# Altium PCB PCB1.PcbDoc
Units mil, origin at the board's own origin, x right, y up, seen from the top; angles counter-clockwise.
Board outline 3936 x 3936 mil, 2 copper layers (Top Layer, Bottom Layer); 73 components, 92 nets, 322 pads, 141 vias.
Unrouted connection lines stored in the file: 6.
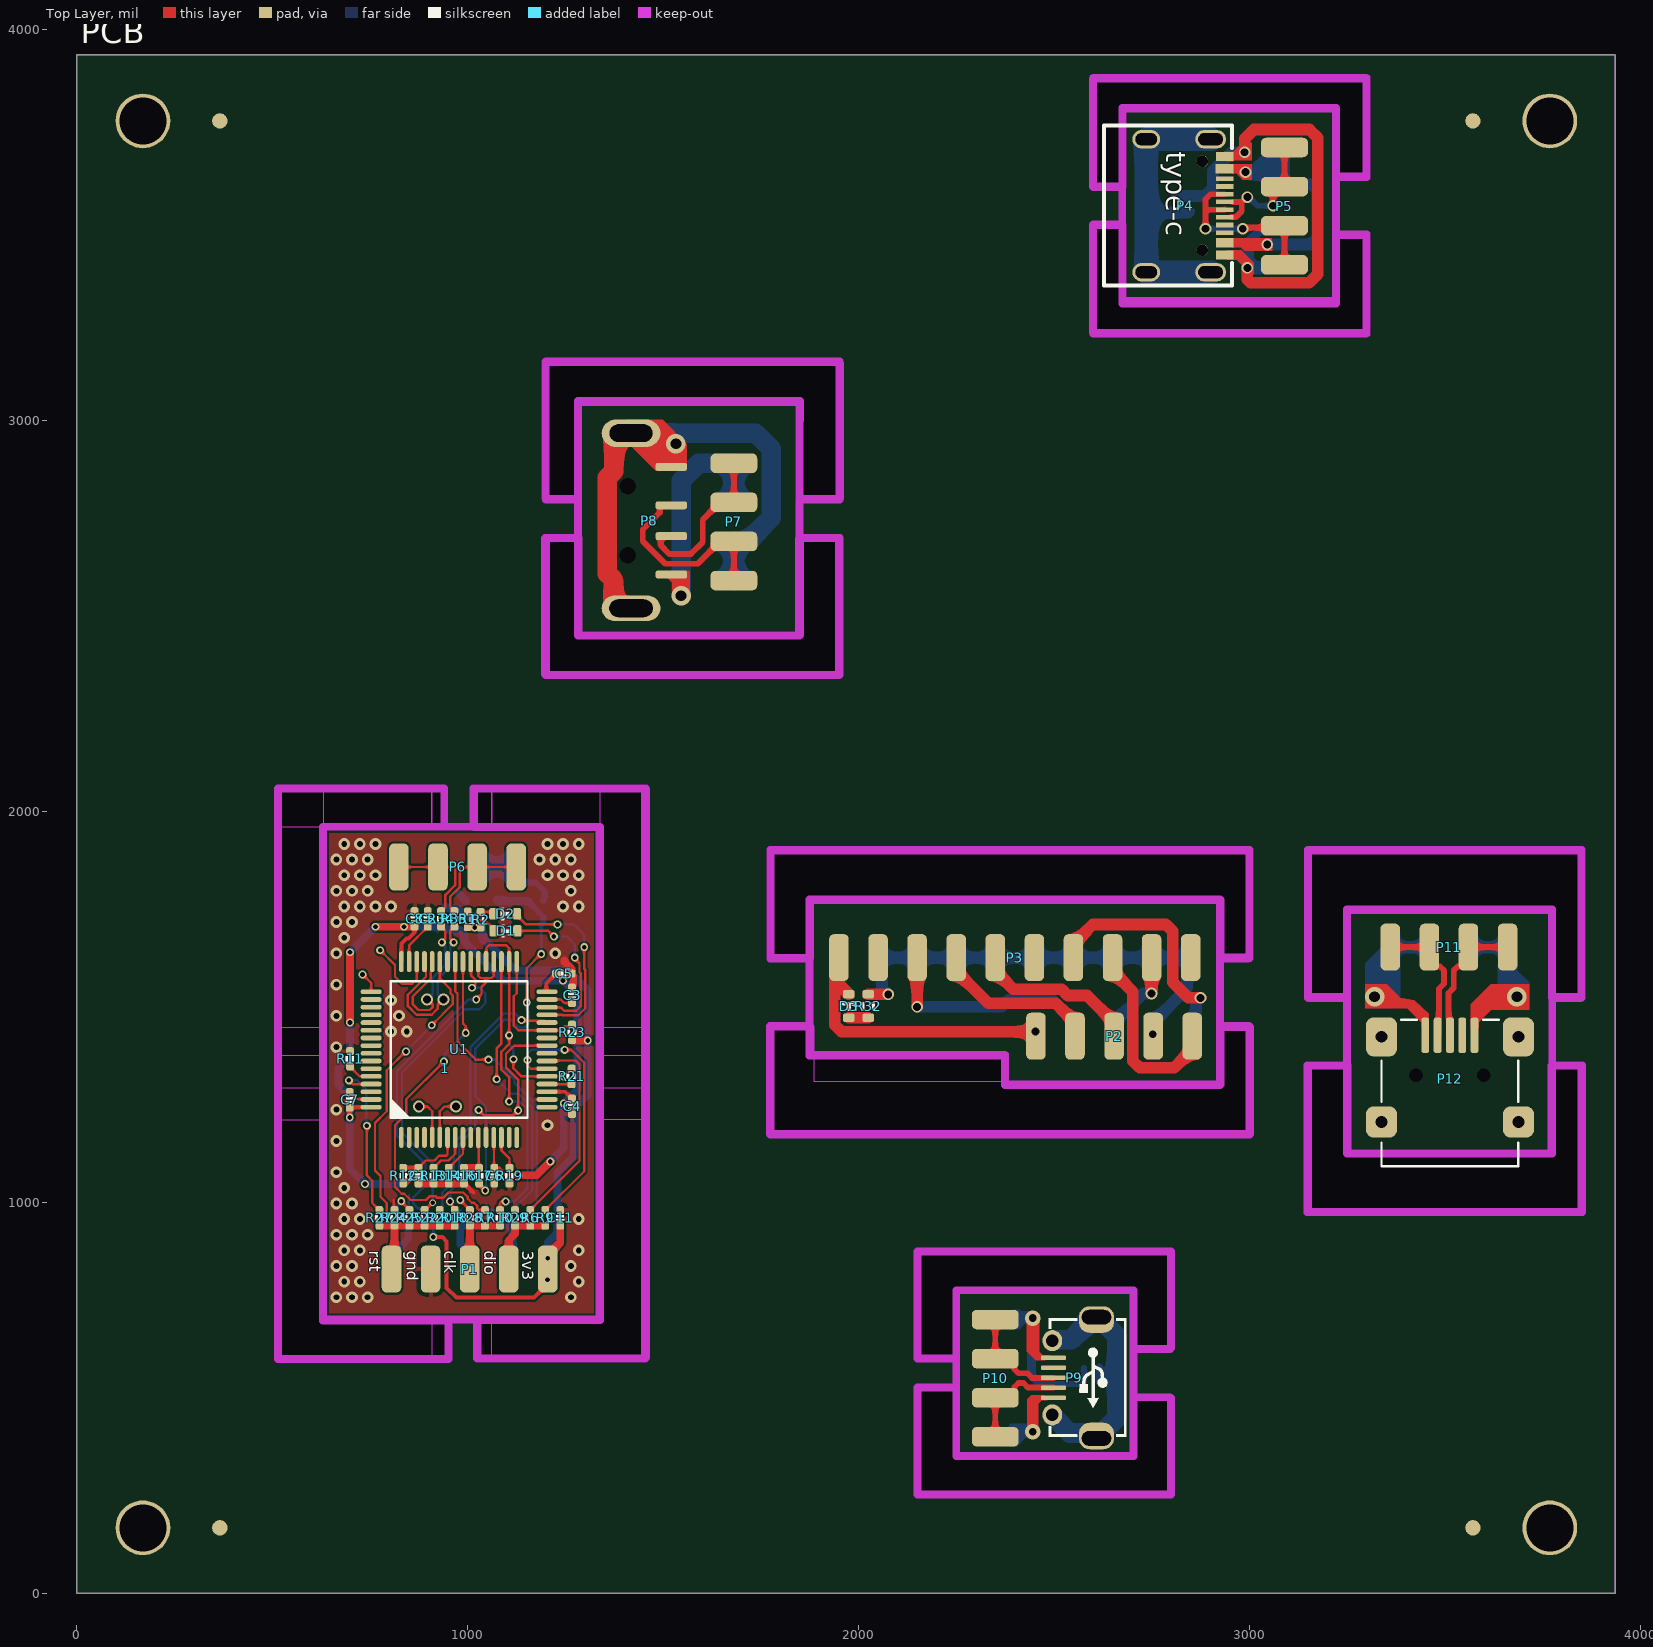
[diagram p0: Top Layer view]
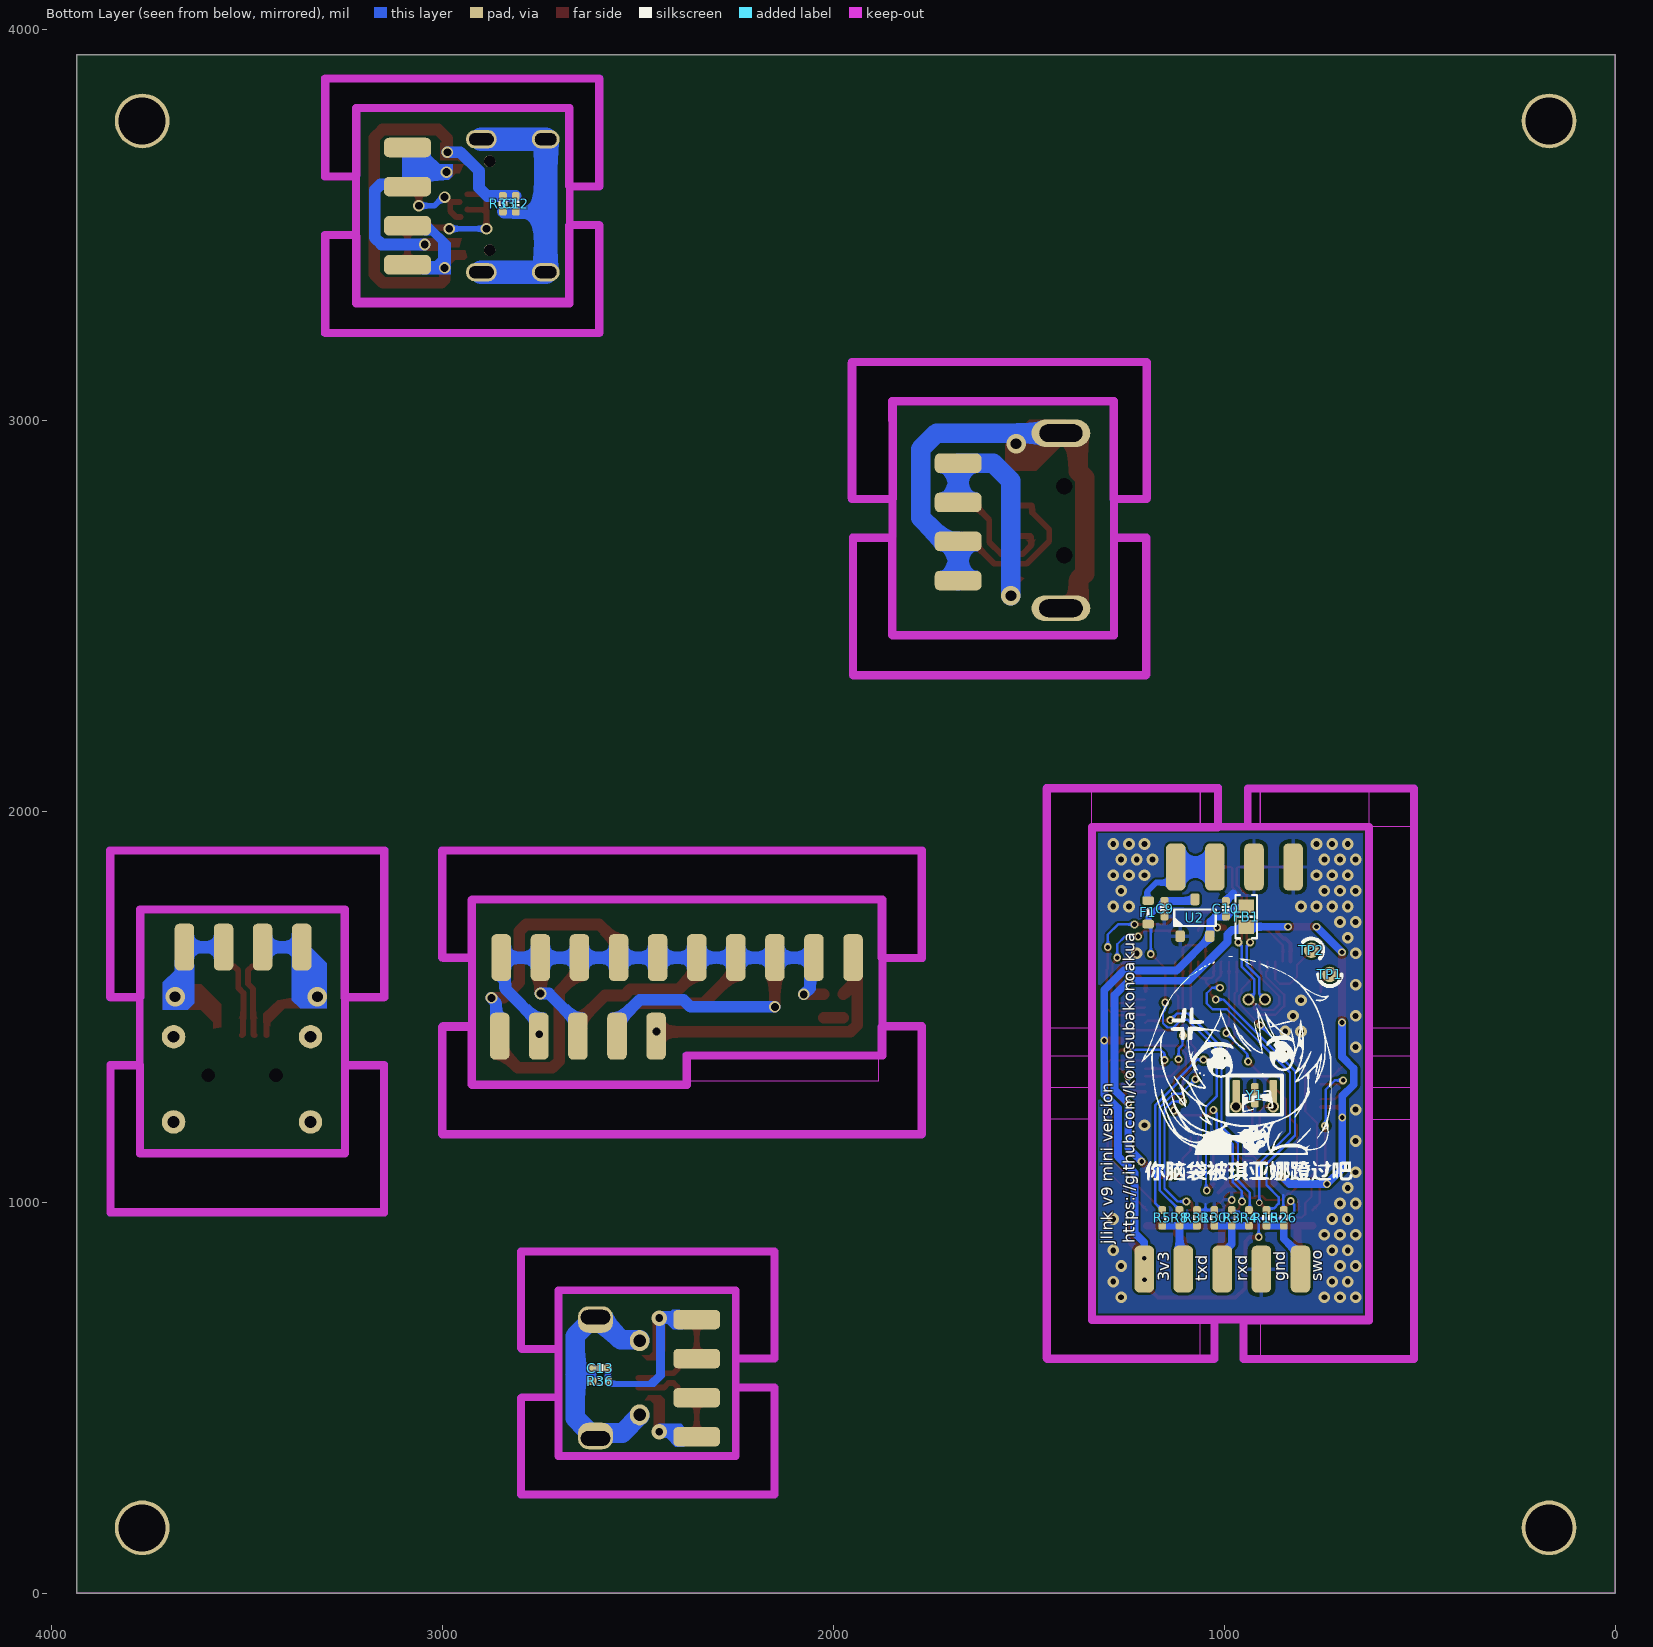
[diagram p1: Bottom Layer view, seen from below]
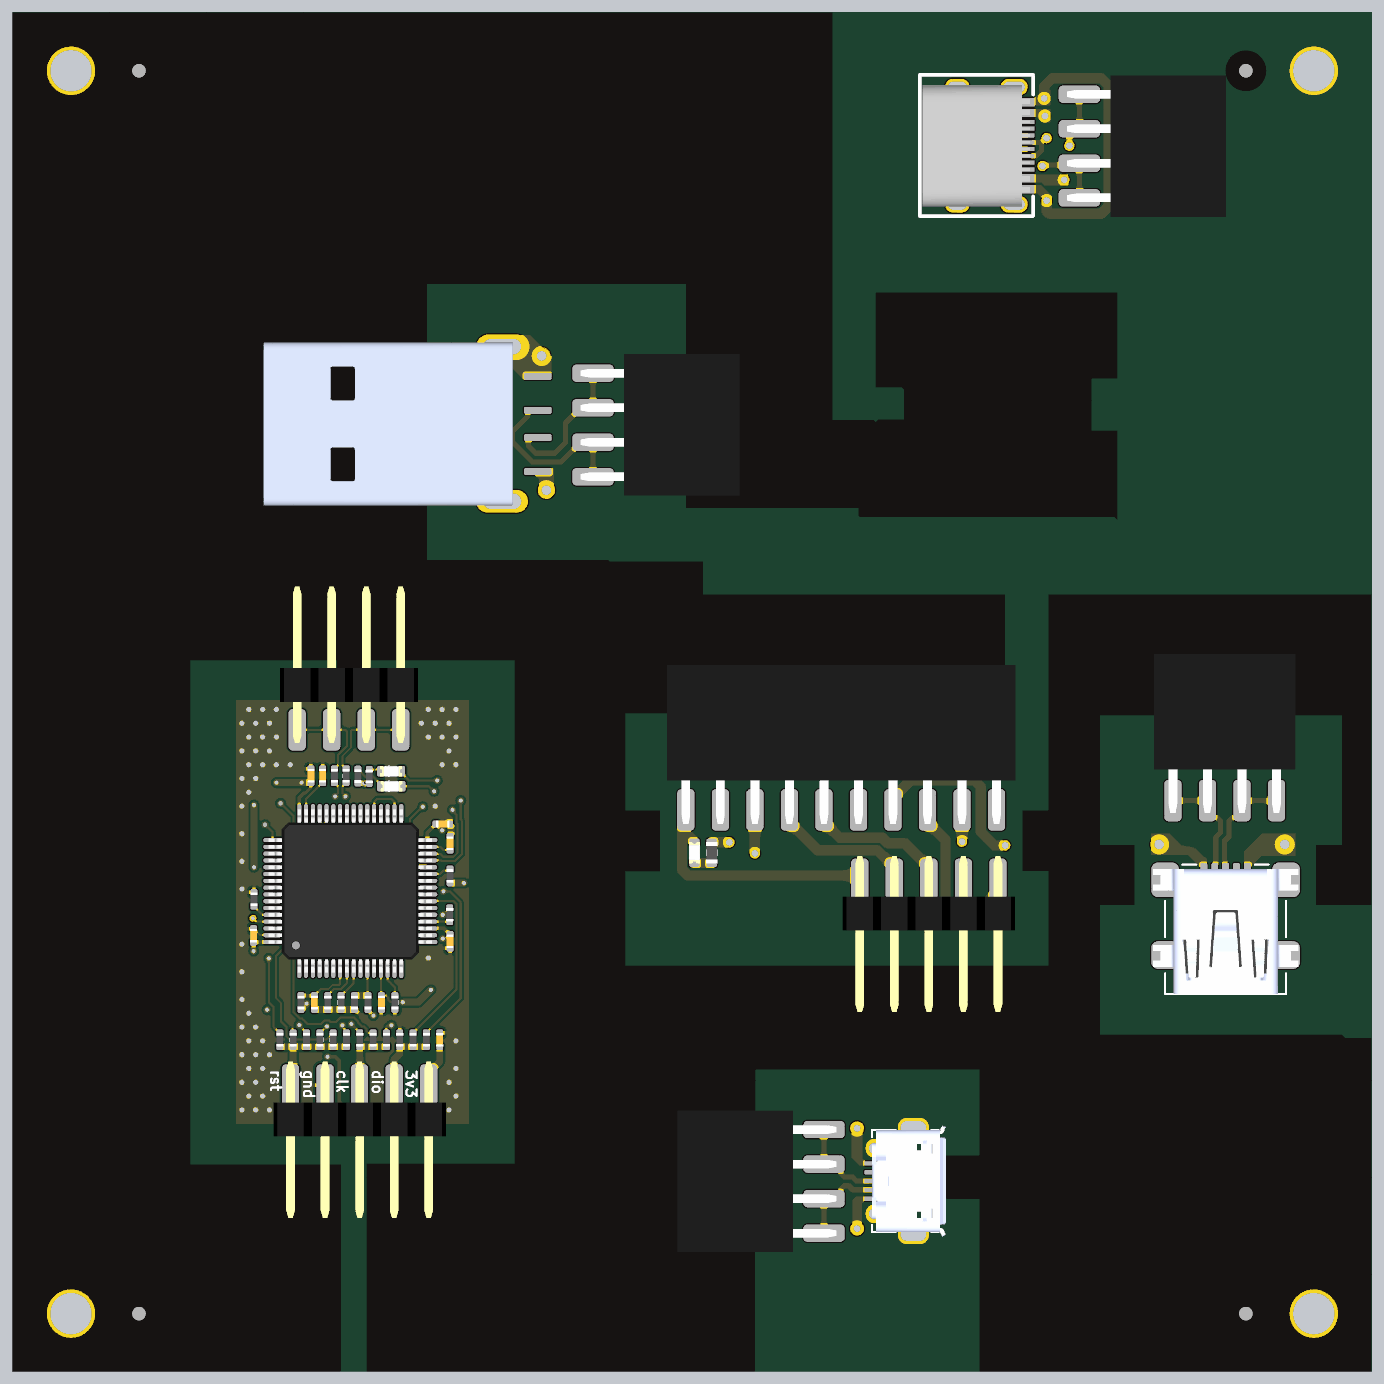
[diagram p2: 3D render of the assembled board from above, using the file's embedded part models]
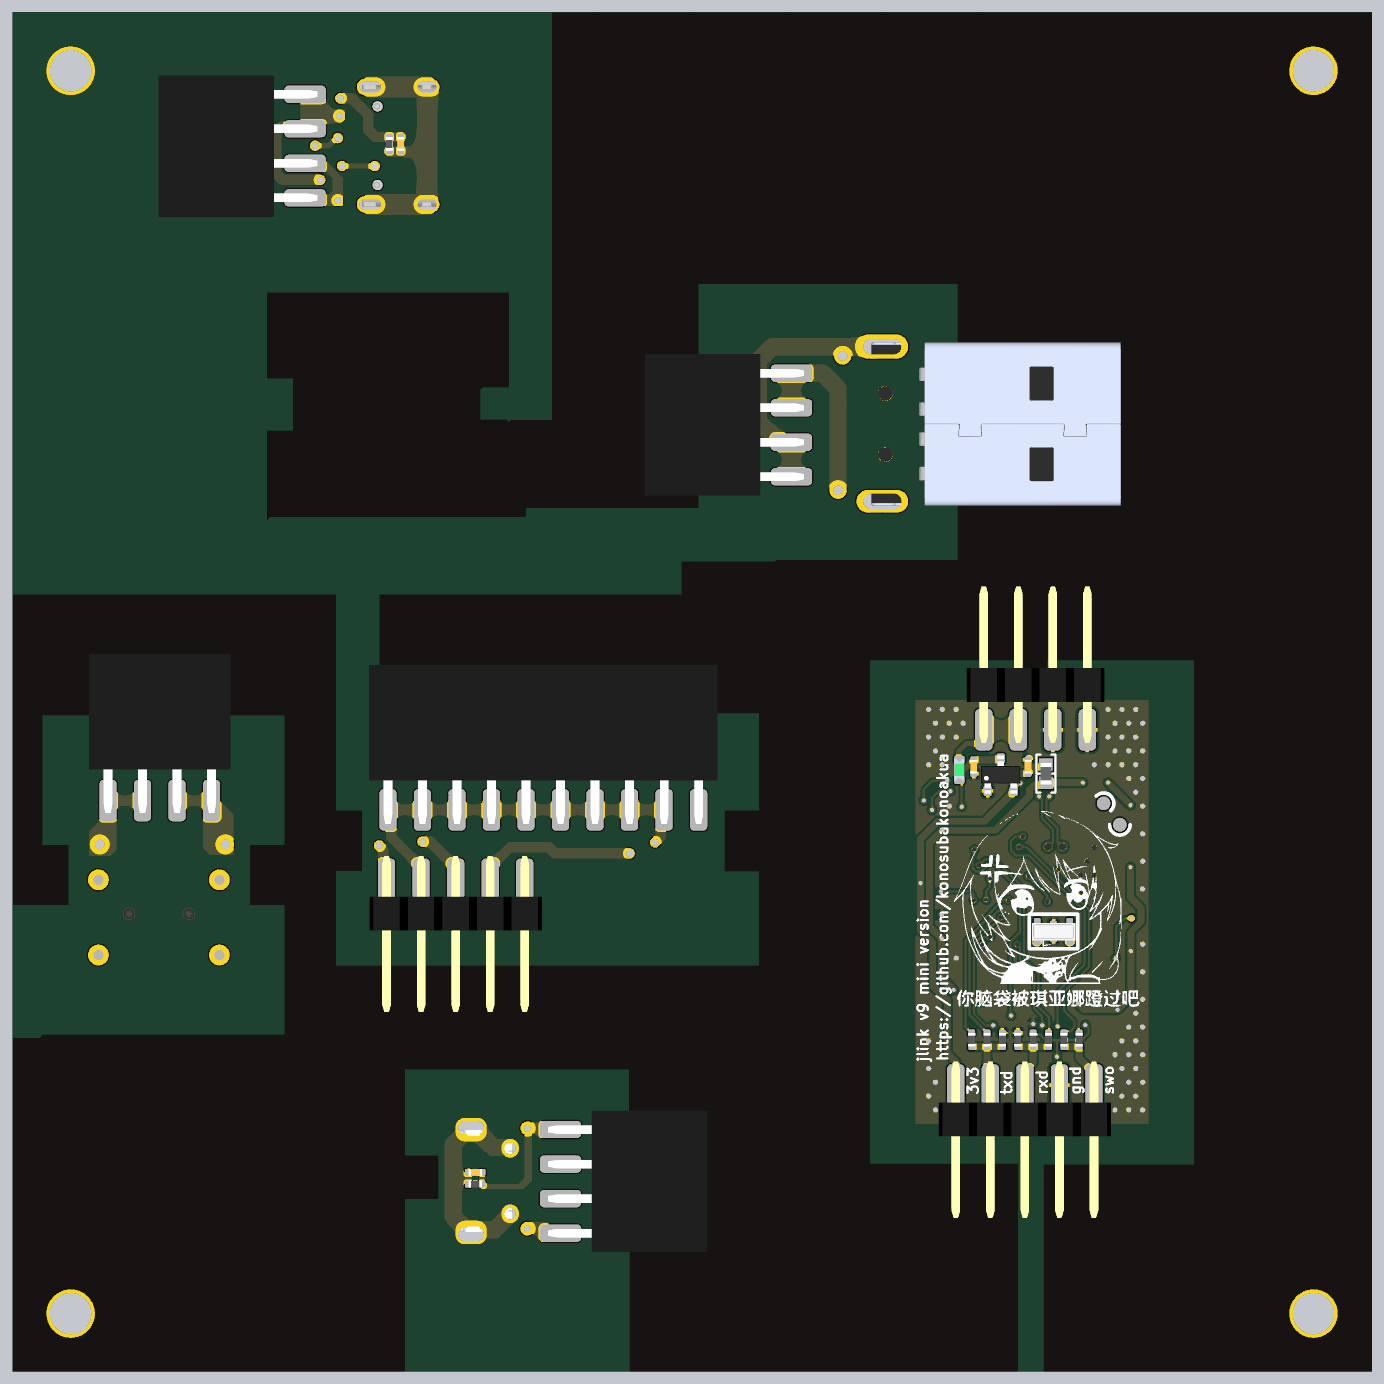
[diagram p3: 3D render of the assembled board from below, using the file's embedded part models]

## Layer stack, top to bottom
Top Solder: solder mask 0.4, Solder Resist, Dk 3.5
Top Layer: signal copper 1.4
Dielectric 1: dielectric 12.6, FR-4, Dk 4.8
Bottom Layer: signal copper 1.4
Bottom Solder: solder mask 0.4, Solder Resist, Dk 3.5

## Board outline
0,0 3936,0 3936,3936 0,3936
cut-out: 3139.98,975 3139.98,1350 cw(c3150,1350) 3150,1360.01 3250,1360.01 cw(c3250,1350) 3260.02,1350 3260.02,1135.01 3764.98,1135.01 3764.98,1350 cw(c3775,1350) 3775,1360.01 3850,1360.01 cw(c3850,1350) 3860.02,1350 3860.02,975 cw(c3850,975) 3850,964.98 3150,964.98 cw(c3150,975)
cut-out: 3139.98,1525 ccw(c3150,1525) 3150,1514.99 3250,1514.99 ccw(c3250,1525) 3260.02,1525 3260.02,1739.99 3764.98,1739.99 3764.98,1525 ccw(c3775,1525) 3775,1514.99 3850,1514.99 ccw(c3850,1525) 3860.02,1525 3860.02,1900 ccw(c3850,1900) 3850,1910.01 3150,1910.01 ccw(c3150,1900) 3139.98,1900
cut-out: 2151.11,252.21 2151.11,526.11 2250,526.11 2250,351.11 2704,351.11 2704,501.11 2797.87,501.11 2800,498.98 2800,252.21
cut-out: 2151.11,600 2151.11,873.89 2800,873.89 2800,627.13 2797.87,625 2704,625 2704,775 2250,775 2250,600
cut-out: 1764.98,1175 ccw(c1775,1175) 1775,1164.99 3000,1164.99 ccw(c3000,1175) 3010.02,1175 3010.02,1448.94 ccw(c3000,1448.94) 3000,1458.96 2926.06,1458.96 ccw(c2926.06,1448.94) 2916.04,1448.94 2916.04,1310.01 2385.02,1310.01 2385.02,1375 ccw(c2375,1375) 2375,1385.01 1885.02,1385.01 1885.02,1450 ccw(c1875,1450) 1875,1460.01 1775,1460.01 ccw(c1775,1450) 1764.98,1450
cut-out: 1764.98,1175 1764.98,1450 cw(c1775,1450) 1775,1460.01 1875,1460.01 cw(c1875,1450) 1885.02,1450 1885.02,1310.01 2916.04,1310.01 2916.04,1448.94 cw(c2926.06,1448.94) 2926.06,1458.96 3000,1458.96 cw(c3000,1448.94) 3010.02,1448.94 3010.02,1175 cw(c3000,1175) 3000,1164.99 1775,1164.99 cw(c1775,1175)
cut-out: 1764.98,1625 ccw(c1775,1625) 1775,1614.99 1875,1614.99 ccw(c1875,1625) 1885.02,1625 1885.02,1764.99 2916.04,1764.99 2916.04,1626.06 ccw(c2926.06,1626.06) 2926.06,1616.04 3000,1616.04 ccw(c3000,1626.06) 3010.02,1626.06 3010.02,1900 ccw(c3000,1900) 3000,1910.01 1775,1910.01 ccw(c1775,1900) 1764.98,1900
cut-out: 2589.98,3225 ccw(c2600,3225) 2600,3214.98 3300,3214.98 ccw(c3300,3225) 3310.02,3225 3310.02,3475 ccw(c3300,3475) 3300,3485.02 3225,3485.02 ccw(c3225,3475) 3217.92,3482.08 3214.92,3479.08 ccw(c3222,3472) 3211.98,3472 3211.98,3315.02 2685.02,3315.02 2685.02,3500 ccw(c2675,3500) 2675,3510.02 2600,3510.02 ccw(c2600,3500) 2589.98,3500
cut-out: 2589.98,3600 ccw(c2600,3600) 2600,3589.98 2675,3589.98 ccw(c2675,3600) 2685.02,3600 2685.02,3789.98 3211.98,3789.98 3211.98,3628 ccw(c3222,3628) 3214.92,3620.92 3217.92,3617.92 ccw(c3225,3625) 3225,3614.98 3300,3614.98 ccw(c3300,3625) 3310.02,3625 3310.02,3875 ccw(c3300,3875) 3300,3885.02 2600,3885.02 ccw(c2600,3875) 2589.98,3875
cut-out: 1189.99,2350 1189.99,2700 cw(c1200,2700) 1200,2710.01 1282,2710.01 cw(c1282,2700) 1292.02,2700 1292.02,2460.01 1839.98,2460.01 1839.98,2700 cw(c1850,2700) 1850,2710.01 1950,2710.01 cw(c1950,2700) 1960.02,2700 1960.02,2350 cw(c1950,2350) 1950,2339.99 1200,2339.99 cw(c1200,2350)
cut-out: 1199.95,2789.99 1282,2789.99 ccw(c1282,2800) 1292.02,2800 1292.02,3039.99 1839.98,3039.99 1839.98,3004.36 ccw(c1849,3000) 1838.98,3000 1838.98,2801 ccw(c1849,2801) 1842.44,2793.44 ccw(c1850,2800) 1850,2789.99 1950,2789.99 ccw(c1950,2800) 1950.85,2790.02 ccw(c1951.7,2800) 1961.72,2800 1961.72,3150 ccw(c1951.7,3150) 1951.7,3160.02 1199.95,3160.02 ccw(c1199.95,3150) 1189.94,3150 1189.94,2800 ccw(c1199.95,2800)
cut-out: 1014.99,601.11 1014.99,699 cw(c1025,699) 1025,709.02 1328.94,709.02 1328.94,1951.04 1016,1951.04 cw(c1016,1961.06) 1005.99,1961.06 1005.99,2058.95 cw(c1016,2058.95) 1016,2068.97 1454.01,2068.97 cw(c1454.01,2058.95) 1464.03,2058.95 1464.03,601.11 cw(c1454.01,601.11) 1454.01,591.09 1025,591.09 cw(c1025,601.11)
cut-out: 514.94,1375 514.94,2058.95 940,2058.95 940,1961.06 629.95,1961.06 629.95,1375 630,1375 630,697 951,697 951,599.11 514.99,599.11
cut-out: 1025,601.11 1025,699 1339,699 1339,1293 1454.01,1293 1454.01,601.11
cut-out: 1016,1961.06 1016,2058.95 1454.01,2058.95 1454.01,1375 1339,1375 1339,1961.06
cut-out: 514.94,1375 514.94,2058.95 940,2058.95 940,1961.06 629.95,1961.06 629.95,1375
cut-out: 514.99,599.11 514.99,1293.06 630,1293.06 630,697 951,697 951,599.11
cut-out: 1061,601.11 1061,699 1339,699 1339,1212.11 1339.95,1213.06 1454.01,1213.06 1454.01,601.11
cut-out: 514.99,599.11 514.99,1211.06 629.05,1211.06 630,1210.11 630,697 908,697 908,599.11
cut-out: 1061,1961.06 1061,2058.95 1454.01,2058.95 1454.01,1447 1339.95,1447 1339,1447.95 1339,1961.06
cut-out: 514.94,1447 514.94,2058.95 907.95,2058.95 907.95,1961.06 629.95,1961.06 629.95,1447.95 629,1447
cut-out: 514.94,1447 514.94,1961.06 629.95,1961.06 629.95,1447.95 629,1447
cut-out: 629.95,1961.06 907.95,1961.06 907.95,2058.95 629.95,2058.95
cut-out: 1060.95,1961.06 1338.95,1961.06 1338.95,2058.95 1060.95,2058.95

## Design rules (kind name [scope] priority, off if disabled: settings)
Clearance [All] p1: gap=6 ignorepadtopadclearanceinfootprint=FALSE
ComponentClearance [All] p1: gap=0 collisioncheckmode=3 verticalgap=0 showdistances=FALSE
DiffPairsRouting [All] p1: maxlimit=10 minlimit=6 mostfreqgap=6 toplayer_minwidth=6 toplayer_maxwidth=20 toplayer_prefwidth=6 bottomlayer_minwidth=6 bottomlayer_maxwidth=20 bottomlayer_prefwidth=6 maxuncoupledlength=500
PolygonConnect [All] p1: connectstyle=Relief reliefconductorwidth=10 reliefentries=4 polygonreliefangle="90 Angle" airgapwidth=10
RoutingVias [All] p1: holewidth=28 width=50 viastyle="Through Hole" minholewidth=28 minwidth=50 maxholewidth=28 maxwidth=50
SolderMaskExpansion [All] p1: expansion=4
Width [All] p1: maxlimit=100 minlimit=6 preferedwidth=10
28 further rules are at their usual default settings.

## Classes and differential pairs
component class usb_conn: C12 C13 F1 P4 P5 P6 P7 P8 P9 P10 P11 P12 R33 R34 R35 R36
component class stm32: C1 C2 C3 C4 C5 C6 C7 C8 C9 C10 C11 D1 D2 FB1 P1 PCB R1 R2 R3 R4 R5 R6 R7 R8 R9 R10 R11 R12 R13 R14 R15 R16 R17 R18 R19 R20 R21 R22 R23 R24 R25 R26 R27 R28 R29 R30 R31 TP1 TP2 U1 U2 Y1
component class Jtag_port: D3 P2 P3 R32
differential pair usb: +usb_P -usb_N
differential pair usb_mini: +usb_mini_P -usb_mini_N
differential pair usb_micro: +usb_micro_P -usb_micro_N
differential pair usb_c: +usb_c_P -usb_c_N
differential pair usb_a: +usb_a_P -usb_a_N
differential pair mcu_usb: +mcu_usb_P -mcu_usb_N

## Components (designator, comment, footprint, x,y, rotation, side; value= is the part's Value field where it differs from the comment)
1 "" IMAGE 942.26,1342.47 r0 top
C1 "C0402" CAP_0402 873.86,1068.06 r270 top value=0.1u
C2 "C0402" CAP_0402 898,1725.06 r270 top value=2.2u
C3 "C0402" CAP_0402 1267,1529.39 r270 top value=2.2u
C4 "C0402" CAP_0402 1267,1245.39 r90 top value=0.1u
C5 "C0402" CAP_0402 1246,1585.06 r180 top value=0.1u
C6 "C0402" CAP_0402 1068.14,1068.06 r90 top value=0.1u
C7 "C0402" CAP_0402 698,1262.06 r270 top value=0.1u
C8 "C0402" CAP_0402 864,1725.06 r270 top value=0.1u
C9 "C0402" CAP_0402 1153,1751.06 r90 bottom value=0.1uf
C10 "C0402" CAP_0402 996,1751.06 r270 bottom value=0.1uf
C11 "C0402" CAP_0402 1237,960.06 r270 top value=0.1uf
C12 "C0402" CAP_0402 2813,3555 r90 bottom value=0.1u
C13 "C0402" CAP_0402 2597,576 r180 bottom value=0.1u
D1 "color?" LED_0603 1097,1694.54 r0 top
D2 "color?" LED_0603 1096,1738.06 r0 top
D3 "color?" LED_0603 1975,1502.06 r270 top
F1 "500mA" PPTC_0603 1194.87,1742.06 r270 bottom
FB1 "Fer" "FER 0603/1608" 944,1731.06 r90 bottom
P1 "HDR2x5_2.54" HDR2X5_2.54_180H 1205,829.06 r270 top
P2 "HDR2x5_2.54" HDR2X5_2.54_180H 2853.92,1425.06 r270 top
P3 "HDR2x10_2.54" HDR2X10_2.54_180HF 1950,1626.06 r90 top
P4 "TypeC" USB_TypeC 2836.6,3550 r270 top
P5 "HDR2x4_2.54" HDR2X4_2.54_180HF 3090,3699 r0 top
P6 "HDR2x4_2.54" HDR2X4_2.54_180H 824,1858.06 r90 top
P7 "HDR2x4_2.54" HDR2X4_2.54_180HF 1681,2891 r0 top
P8 "USB_Plug_TypeA" USB_Plug_TypeA 1303,2744 r180 top
P9 "MicroUSB" USB_Micro-AB 2599,551 r270 top
P10 "HDR2x4_2.54" HDR2X4_2.54_180HF 2350,400 r180 top
P11 "HDR2x4_2.54" HDR2X4_2.54_180HF 3360.78,1653 r90 top
P12 "MiniUSB" USB_Mini-B 3513.39,1427.36 r180 top
PCB "PCB_100x100" PCB_100x100 1969,1967 r0 top locked
R1 "220r" RES_0402 1000,1724.06 r270 top
R2 "220r" RES_0402 1033,1723.06 r270 top
R3 "220r" RES_0402 981.11,960.06 r90 bottom
R4 "220r" RES_0402 936.64,960.06 r270 bottom
R5 "220r" RES_0402 1159,960.06 r270 bottom
R6 "220r" RES_0402 1159.83,960.06 r270 top
R7 "220r" RES_0402 1044.08,960.06 r270 top
R8 "220r" RES_0402 1114.53,960.06 r270 bottom
R9 "220r" RES_0402 1198.42,960.06 r270 top
R10 "220r" RES_0402 1082.67,960.06 r270 top
R11 "10k" RES_0402 699,1367.06 r90 top
R12 "10k" RES_0402 835,1068.06 r270 top
R13 "10k" RES_0402 912.71,1068.06 r90 top
R14 "10k" RES_0402 951.57,1068.06 r90 top
R15 "220r" RES_0402 892.17,960.06 r270 bottom
R16 "10k" RES_0402 990.43,1068.06 r90 top
R17 "10k" RES_0402 1029.29,1068.06 r270 top
R18 "220r" RES_0402 966.92,960.06 r270 top
R19 "10k" RES_0402 1107,1068.06 r90 top
R20 "220r" RES_0402 928.33,960.06 r270 top
R21 "10k" RES_0402 1266,1322.06 r270 top
R22 "220r" RES_0402 889.75,960.06 r270 top
R23 "10k" RES_0402 1267,1434.73 r90 top
R24 "220k" RES_0402 812.58,960.06 r270 top
R25 "10k" RES_0402 851.17,960.06 r270 top
R26 "220k" RES_0402 847.7,960.06 r270 bottom
R27 "10k" RES_0402 774,960.06 r270 top
R28 "220k" RES_0402 1005.5,960.06 r270 top
R29 "220k" RES_0402 1121.25,960.06 r270 top
R30 "220k" RES_0402 1025.59,960.06 r270 bottom
R31 "220k" RES_0402 1070.06,960.06 r270 bottom
R32 "1k" RES_0603 2025,1502.06 r90 top
R33 "1M" RES_0402 2846,3555 r90 bottom
R34 "22r" RES_0402 932,1725.06 r90 top
R35 "22r" RES_0402 966,1725.06 r90 top
R36 "1M" RES_0402 2597,542 r180 bottom
TP1 "CLK" "TP Circle" 730,1583.06 r180 bottom
TP2 "DIO" "TP Circle" 777,1645.06 r45 bottom
U1 "STM32F205RET6" _LQFP_P0.5_64 978,1391.06 r90 top
U2 "XC6206P332MR" _SOT23-3 1075,1728.06 r90 bottom
Y1 "12MHz" "MURATA CSTCE" 922,1274.06 r0 bottom
